# KiCad board dacboard.kicad_pcb (continued)
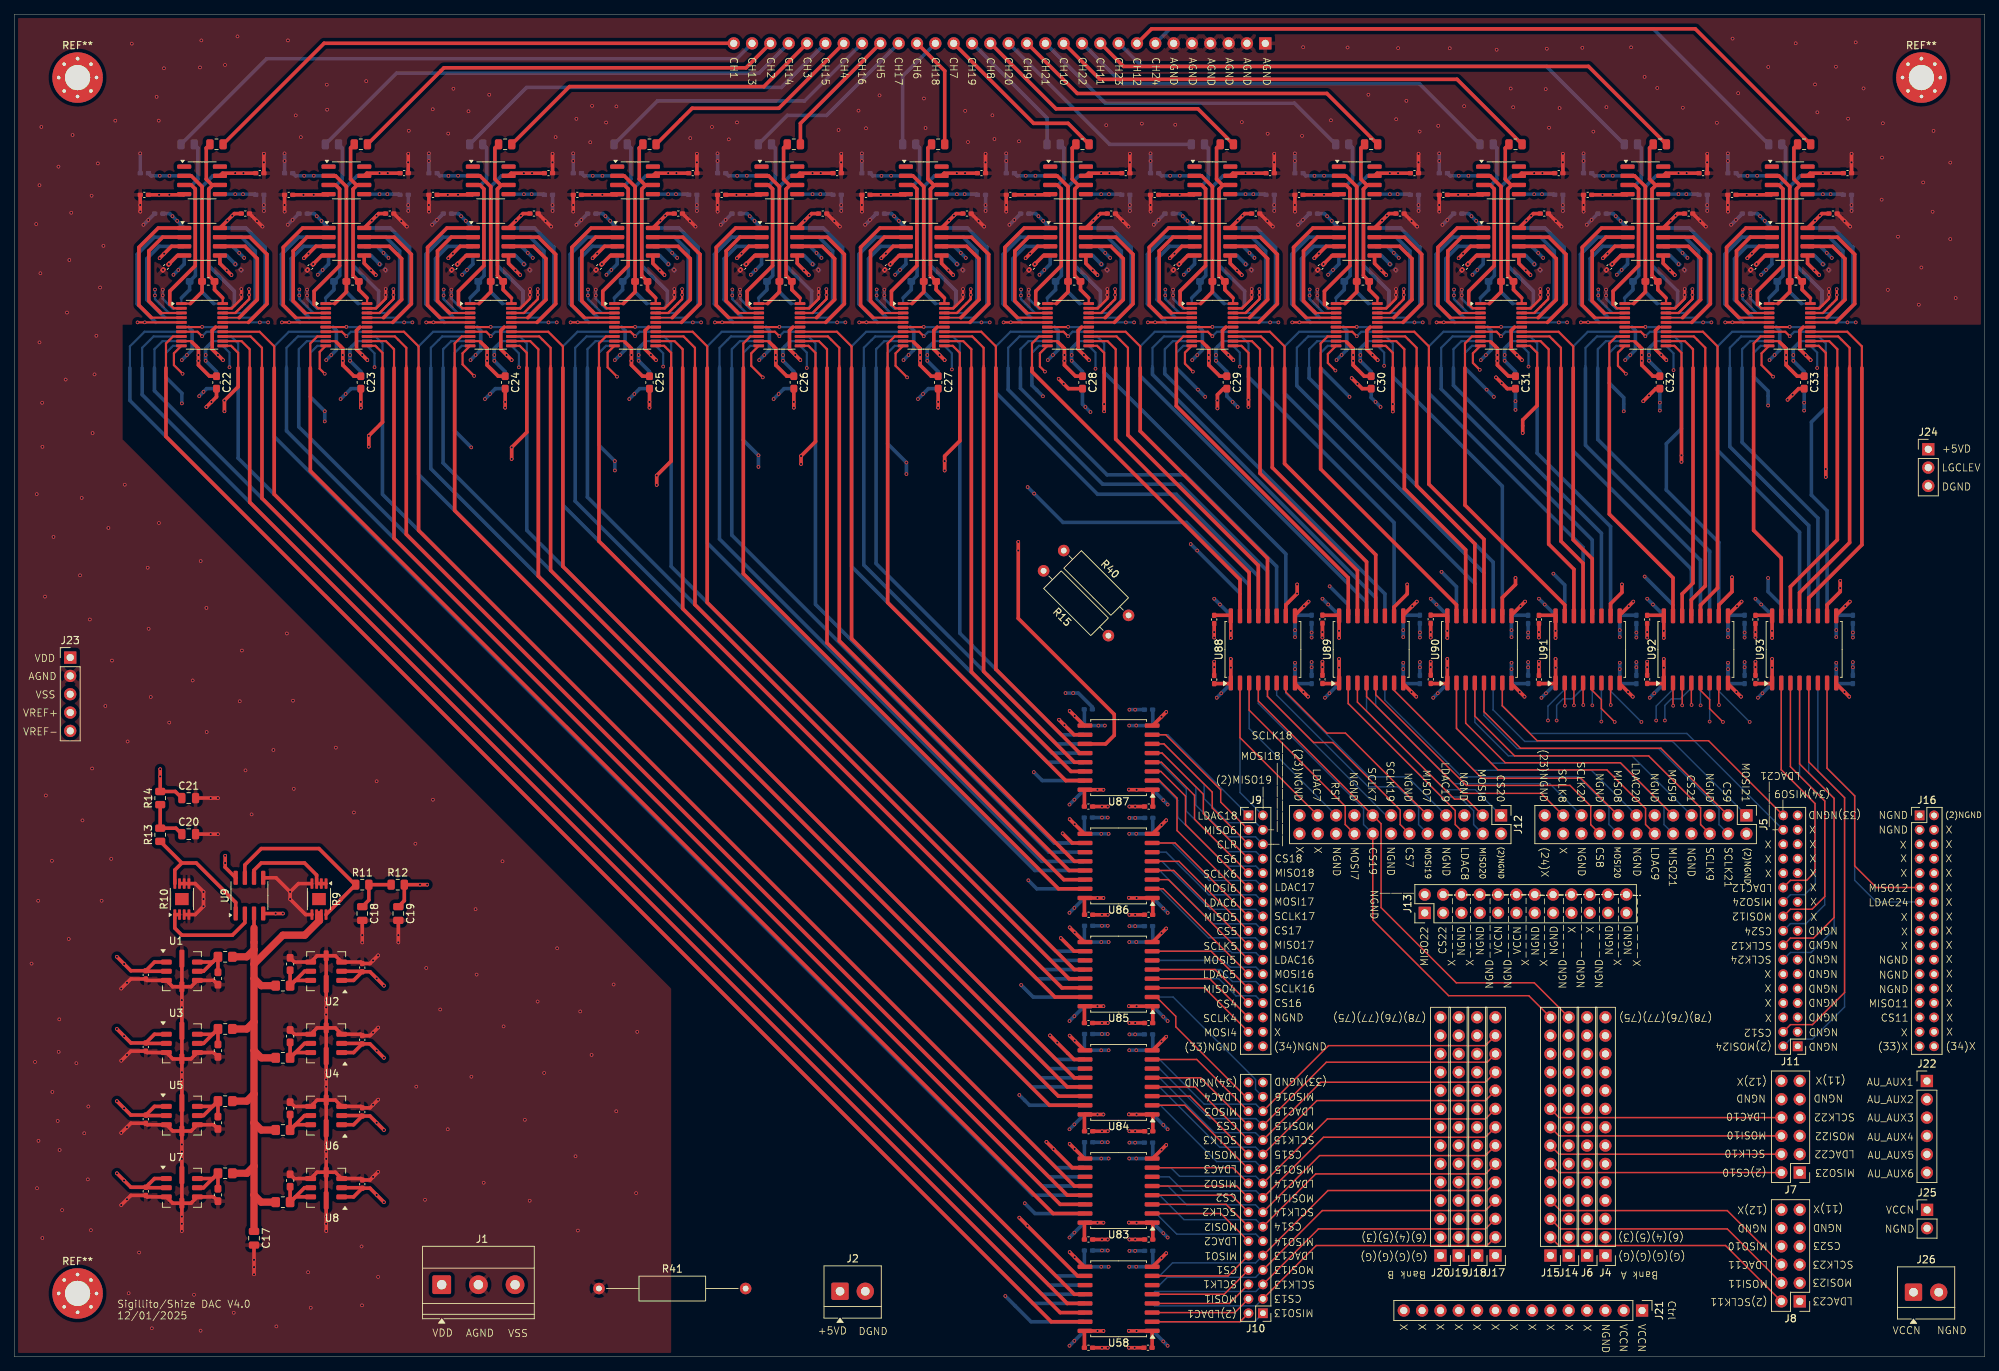
[diagram p0: board, top side]
## Routing (per net, layer and track width the routed paths; a pad name or vN(x,y) marks a point on that pad's centre or on a via; arc(x,y) is an arc through that point) (continued)
MOSI_CH9: length 84.8
  Top w0.2: U90.3 201.09,87.78 206.57,82.3 222.54,82.3 J5.9
  In6.Cu w0.2: J5.9 228.53,73.69 228.53,63.69 214.12,49.28 214.12,38.14 J15.10
MOSI_CH10: length 128.8
  Top w0.2: J7.6 214.04,30.58 J15.8 ; U91.3 216.09,90.34 216.05,90.3
  In1.Cu w0.2: J7.6 246.09,31.82 248.75,31.82 250.85,33.93 250.85,75.8 247.46,79.19 221.68,79.19 216.1,84.77 v1(216.1,90.25)
MOSI_CH11: length 146.1
  Top w0.2: U92.3 231.09,90.34 231.05,90.3 ; J8.4 237.35,17.69 214.23,17.69 J15.3
  In1.Cu w0.2: v1(231.1,90.25) 231.1,86.84 233.47,84.47 249.48,84.47 257.91,76.04 257.91,20.88 248.6,11.58 246.24,11.58 J8.4
MOSI_CH12: length 82.8
  Top w0.2: U93.3 246.1,81.75 250.85,77 250.85,63.75 249.1,62 246.1,62 J11.20
  In1.Cu w0.2: J11.20 236.43,52.33 236.43,45.54 221.52,30.63 219.31,30.63 J6.7
MOSI_CH13: length 52.4
  Top w0.2: J10.7 181.23,20.23 203.83,20.23 J17.4
  Bottom w0.2: U94.3 158.67,9.91 159.75,10.98 171.98,10.98 J10.7
MOSI_CH14: length 52.8
  Top w0.2: J10.17 181.39,30.39 203.83,30.39 J17.8
  Bottom w0.2: J10.17 172.02,22.98 161.95,22.98 160.02,24.91 U95.3
MOSI_CH15: length 55
  Top w0.2: J17.12 204.07,40.79 181.79,40.79 J10.27
  Bottom w0.2: U96.3 158.67,39.91 165.6,32.98 172.02,32.98 J10.27
MOSI_CH16: length 60.9
  In2.Cu w0.2: J9.24 187.93,38.07 187.93,30.12 195.04,23.01 198.75,23.01 J19.4
  Bottom w0.2: U97.3 167.54,54.91 168.47,53.98 172.02,53.98 J9.24
MOSI_CH17: length 63
  In2.Cu w0.2: J9.14 193.46,42.54 193.46,34.41 194.7,33.17 198.75,33.17 J19.8
  Bottom w0.2: J9.14 172.02,63.98 165.52,63.98 159.59,69.91 U98.3
MOSI_CH18: length 68.1
  In3.Cu w0.2: J9.4 181.53,64.47 181.53,53.05 191.25,43.33 198.75,43.33 J19.12
  Bottom w0.2: U99.3 159.25,84.91 164.85,79.3 164.85,77.33 168.2,73.98 172.02,73.98 J9.4
MOSI_CH19: length 67
  In3.Cu w0.2: J15.13 196.7,60.62 196.7,71.6 J12.10
  Bottom w0.2: J12.10 194.57,73.72 194.57,76.08 191.7,78.95 187.62,78.95 174.91,91.67 U100.3
MOSI_CH20: length 79.6
  In5.Cu w0.2: J5.16 219.58,69.82 219.58,51.56 216.68,48.66 216.68,40.7 J14.11
  Bottom w0.2: U101.3 189.91,90.97 200.53,80.35 216.7,80.35 220.95,76.1 220.95,73.73 J5.16
MOSI_CH21: length 97.4
  In6.Cu w0.2: J4.8 241.46,52.78 241.46,73.54 J5.1
  Bottom w0.2: U102.3 204.91,89.63 204.9,89.62 209.28,85.25 229.75,85.25 J5.1
MOSI_CH22: length 122.4
  In2.Cu w0.2: J14.8 216.69,30.47 242.9,30.47 244,29.37 246.18,29.37 J7.5 250.85,34.04 250.85,77.27 247.88,80.24 227.66,80.24 v1(219.9,88)
  Bottom w0.2: U103.3 219.91,88.05 219.95,88
MOSI_CH23: length 140.1
  In2.Cu w0.2: v1(234.9,88) 237.5,85.4 250.08,85.4 257.91,77.57 257.91,20.71 J8.3 246.24,11.34 244.37,11.34 237.78,17.93 216.53,17.93 J14.3
  Bottom w0.2: 234.95,88 234.91,88.05 U104.3
MOSI_CH24: length 97.2
  In1.Cu w0.2: J11.2 232.24,30.14 232.24,27.01 222.92,17.69 219.07,17.69 J6.2
  Bottom w0.2: J11.2 246.1,44 249.15,44 253.6,48.45 253.6,77.45 249.9,81.14 U105.3
NGND: length 113
  Top w0.5: v1(159.6,14.32) 157.74,12.46 157.74,12.44 ; 156.6,61.22 v1(154.5,61.22) ; 192.44,93.25 v1(194.25,91.45) ; 156.6,16.22 v1(154.5,16.22) ; 207.44,93.25 v1(209.25,91.45) ; 157.74,42.46 v1(159.6,44.32) ; C84.1 v1(166.25,96.3) ; 156.6,76.22 v1(154.5,76.22) ; 156.6,31.22 v1(154.5,31.22) ; 157.74,87.46 v1(159.6,89.33) ; 211.25,94.39 v1(211.25,96.3) ; 196.25,94.39 v1(196.25,96.3) ; 181.25,94.39 v1(181.25,96.3) ; v1(179.25,91.45) 177.44,93.25 177.44,93.26 ; 226.25,94.39 v1(226.25,96.3) ; 252.44,93.25 v1(254.25,91.45) ; 237.44,93.25 v1(239.25,91.45) ; C72.1 v1(154.43,1.22) ; 222.44,93.25 v1(224.25,91.45) ; 241.25,94.39 v1(241.25,96.3) ; 157.74,72.46 v1(159.6,74.33) ; 157.74,57.46 v1(159.6,59.32) ; 157.74,27.46 v1(159.6,29.32) ; 156.6,46.22 v1(154.5,46.22)
  Bottom w0.5: 156.6,74.65 v1(154.5,74.65) ; 228.56,93.25 v1(226.6,91.3) ; 157.75,63.56 v1(159.8,61.5) ; 183.56,93.25 v1(181.6,91.3) ; 168.56,93.26 168.56,93.25 v1(166.6,91.3) ; 156.6,59.65 v1(154.5,59.65) ; 157.74,3.56 157.75,3.56 v1(159.8,1.5) ; 254.75,94.39 v1(254.75,96.25) ; 156.6,89.65 v1(154.5,89.65) ; 157.75,33.56 v1(159.8,31.5) ; 157.75,78.56 v1(159.8,76.5) ; 213.56,93.25 v1(211.6,91.3) ; 243.56,93.25 v1(241.6,91.3) ; 157.75,48.56 v1(159.8,46.5) ; 156.6,29.65 v1(154.5,29.65) ; C109.1 v1(194.75,96.25) ; 157.75,18.56 v1(159.8,16.5) ; 198.56,93.25 v1(196.6,91.3) ; C115.1 v1(239.75,96.25) ; 224.75,94.39 v1(224.75,96.25) ; 156.6,44.65 v1(154.5,44.65) ; C96.1 v1(154.5,14.65) ; 209.75,94.39 v1(209.75,96.25) ; C108.1 v1(179.75,96.25)
  vias: v1(155.22,1.22) v1(155.3,89.65) v1(155.3,76.22) v1(155.3,74.65) v1(155.3,61.22) v1(155.3,59.65) v1(155.3,46.22) v1(155.3,44.65) v1(155.3,31.22) v1(155.3,29.65) v1(155.3,16.22) v1(155.3,14.65) v1(158.95,88.67) v1(158.95,73.67) v1(158.95,58.68) v1(158.95,43.68) v1(158.95,28.68) v1(158.95,13.68) v1(159.2,77.1) v1(159.2,62.1) v1(159.2,47.1) v1(159.2,32.1) v1(159.2,17.1) v1(159.2,2.1) v1(166.25,95.55) v1(167.22,91.92) v1(178.6,92.1) v1(179.75,95.53) v1(181.25,95.55) v1(182.22,91.92) v1(193.6,92.1) v1(194.75,95.53) v1(196.25,95.55) v1(197.22,91.92) v1(208.6,92.1) v1(209.75,95.53) v1(211.25,95.55) v1(212.22,91.92) v1(223.6,92.1) v1(224.75,95.53) v1(226.25,95.55) v1(227.22,91.92) v1(238.6,92.1) v1(239.75,95.53) v1(241.25,95.55) v1(242.22,91.92) v1(253.6,92.1) v1(254.75,95.53)
RESET_N: length 380.8
  Top w0.3: U28.6 185.97,142.68 ; v1(46,142.7) 45.98,142.68 U13.6 ; U21.6 125.97,142.68 ; U17.6 85.97,142.68 ; U26.6 145.97,142.68 ; U32.6 225.97,142.68 ; U10.6 25.98,142.68 ; U19.6 105.97,142.68 ; U33.6 245.98,142.68 ; U27.6 165.97,142.68 ; U29.6 205.97,142.68 ; U15.6 65.97,142.68
  In10.Cu w0.5: v1(140.4,120.5) 131.5,129.4 131.5,141.1 129.9,142.7 v1(126,142.7) 122.1,142.7 120.5,141.1 111.5,141.1 109.9,142.7 v1(106,142.7) 102.1,142.7 100.5,141.1 91.5,141.1 89.9,142.7 v1(86,142.7) 82.1,142.7 80.5,141.1 71.5,141.1 69.9,142.7 v1(66,142.7) 62.1,142.7 60.5,141.1 51.5,141.1 49.9,142.7 v1(46,142.7) 42.1,142.7 40.5,141.1 31.5,141.1 29.9,142.7 v1(26,142.7) ; v1(140.4,120.5) v1(141.3,119.6) ; v1(140.4,120.5) 140.5,120.6 140.5,141.1 142.1,142.7 v1(146,142.7) 149.9,142.7 151.5,141.1 160.5,141.1 162.1,142.7 v1(166,142.7) 169.9,142.7 171.5,141.1 180.5,141.1 182.1,142.7 v1(186,142.7) 189.9,142.7 191.5,141.1 200.5,141.1 202.1,142.7 v1(206,142.7) 209.9,142.7 211.5,141.1 220.5,141.1 222.1,142.7 v1(226,142.7) 229.9,142.7 231.5,141.1 240.5,141.1 242.1,142.7 v1(246,142.7)
  Bottom w0.3: U51.6 166.03,142.68 v1(166,142.7) ; U57.6 246.02,142.68 v1(246,142.7) ; U38.6 26.02,142.68 v1(26,142.7) ; U41.6 86.03,142.68 v1(86,142.7) ; v1(46,142.7) 46.02,142.68 U39.6 ; U50.6 146.03,142.68 v1(146,142.7) ; U40.6 66.03,142.68 v1(66,142.7) ; v1(206,142.7) 206.03,142.68 U53.6 ; v1(126,142.7) 126.03,142.68 U45.6 ; v1(226,142.7) 226.03,142.68 U56.6 ; U52.6 186.03,142.68 v1(186,142.7) ; v1(106,142.7) 106.03,142.68 U44.6
  Bottom w0.5: 171.09,102.74 171.09,106.91 162.4,115.6 145.3,115.6 v1(140.4,120.5)
RESET_N_ALLCH: length 58.4
  In4.Cu w0.2: J12.19 184.35,73.79 184.35,70.31 188.85,65.81 188.85,58.31 J19.14
  Bottom w0.2: J12.19 171.09,87.05 U100.6
SCLK_CH1: length 50.9
  Top w0.2: J10.6 168.37,7.37 U58.4
  In1.Cu w0.2: J18.4 201.29,20.23 182.61,20.23 173.36,10.98 171.98,10.98 J10.6
SCLK_CH2: length 50.9
  Top w0.2: J10.16 168.63,22.37 U83.4
  In1.Cu w0.2: J10.16 171.98,20.98 173.4,20.98 182.82,30.39 201.29,30.39 J18.8
SCLK_CH3: length 53
  Top w0.2: U84.4 163.63,37.37 J10.26
  In1.Cu w0.2: J10.26 171.98,30.98 173.4,30.98 182.98,40.55 201.29,40.55 J18.12
SCLK_CH4: length 56
  Top w0.2: J9.29 165.63,52.37 U85.4
  In3.Cu w0.2: J20.3 177.34,39.34 177.34,43.25 174.61,45.98 172.02,45.98 J9.29
SCLK_CH5: length 58
  Top w0.2: J9.19 160.63,67.37 U86.4
  In4.Cu w0.2: J20.7 178.24,48.6 178.24,52.49 174.71,56.02 171.98,56.02 J9.19
SCLK_CH6: length 61.1
  Top w0.2: J9.9 163.53,74.47 163.53,77.78 158.94,82.36 U87.4
  In4.Cu w0.2: J20.11 183.4,53.6 183.4,55.98 173.4,65.98 172.02,65.98 J9.9
SCLK_CH7: length 70.5
  Top w0.2: U88.4 172.37,90.86 J12.15 189.37,73.85 189.37,62.22 199.79,51.8 210.6,51.8 J14.14
SCLK_CH8: length 71.3
  Top w0.2: J5.21 211.55,78.05 200.78,78.05 187.37,91.46 U89.4
  In4.Cu w0.2: J5.21 215.86,73.74 215.86,70.57 217,69.43 217,57.25 219.07,55.18 219.07,43.09 J6.12
SCLK_CH9: length 87.9
  Top w0.2: J5.6 233.65,73.73 233.65,76.05 226.45,83.25 207.88,83.25 202.37,88.76 U90.4
  In6.Cu w0.2: J5.6 234.92,63.84 219.2,48.12 219.2,38.14 J6.10
SCLK_CH10: length 132.2
  Top w0.2: J7.4 214.04,28.04 J15.7 ; U91.4 217.37,90.33 v1(217.4,90.3)
  In1.Cu w0.2: v1(217.4,90.3) 217.4,85.51 222.67,80.24 247.88,80.24 252.16,75.96 252.16,31.56 249.88,29.28 246.08,29.28 J7.4
SCLK_CH11: length 149.5
  Top w0.2: v1(232.4,90.3) 232.37,90.33 U92.4 ; J15.2 213.99,15.39 237.11,15.39 J8.2
  In1.Cu w0.2: J8.2 246.24,9.04 248.66,9.04 259.37,19.75 259.37,76.11 250.08,85.4 233.88,85.4 232.4,86.88 v1(232.4,90.3)
SCLK_CH12: length 88.4
  Top w0.2: U93.4 247.37,82.14 252.15,77.35 252.15,60.85 249.3,58 246.1,58 J11.16
  In1.Cu w0.2: J6.5 219.31,25.55 221.32,25.55 239.97,44.2 239.97,51.87 J11.16
SCLK_CH13: length 51.9
  Top w0.2: J17.3 203.83,17.69 180.69,17.69 J10.5
  Bottom w0.2: J10.5 172.02,9.02 158.04,9.02 U94.4
SCLK_CH14: length 52.9
  Top w0.2: J10.15 180.85,27.85 203.83,27.85 J17.7
  Bottom w0.2: J10.15 171.98,21.02 162.45,21.02 159.84,23.63 U95.4
SCLK_CH15: length 55
  Top w0.2: J10.25 181.01,38.01 203.83,38.01 J17.11
  Bottom w0.2: U96.4 158.67,38.63 166.29,31.02 171.98,31.02 J10.25
SCLK_CH16: length 61.6
  In2.Cu w0.2: J19.3 198.75,20.47 195.37,20.47 186.37,29.47 186.37,37.63 J9.26
  Bottom w0.2: U97.4 167.12,53.63 168.77,51.98 172.02,51.98 J9.26
SCLK_CH17: length 64.4
  In2.Cu w0.2: J19.7 198.99,30.39 194.05,30.39 192.02,32.42 192.02,41.98 J9.16
  Bottom w0.2: J9.16 172.02,61.98 165.67,61.98 159.01,68.63 U98.4
SCLK_CH18: length 69
  In3.Cu w0.2: J9.6 179.91,64.09 179.91,52.65 191.77,40.79 198.75,40.79 J19.11
  Bottom w0.2: U99.4 158.99,83.64 163.7,78.92 163.7,76.42 168.1,72.02 171.98,72.02 J9.6
SCLK_CH19: length 73.1
  In1.Cu w0.2: J12.13 192.06,73.7 192.06,59.17 200.8,50.43 214.51,50.43 J6.14
  Bottom w0.2: J12.13 190.07,75 173.63,91.44 U100.4
SCLK_CH20: length 73.7
  In4.Cu w0.2: J5.19 218.42,73.72 218.42,69.51 222.1,65.83 222.1,43.58 J4.12
  Bottom w0.2: J5.19 212.74,79.4 199.47,79.4 188.63,90.24 U101.4
SCLK_CH21: length 89
  In6.Cu w0.2: J5.4 237.46,53.86 J4.10
  Bottom w0.2: J5.4 236.2,73.72 236.2,75.9 227.85,84.25 208.25,84.25 203.63,88.86 U102.4
SCLK_CH22: length 120.3
  In2.Cu w0.2: J14.9 216.77,32.93 242.75,32.93 243.85,31.83 246.1,31.83 J7.7 249.5,35.23 249.5,77.15 247.46,79.19 225.51,79.19 218.65,86.05 v1(218.65,90.25)
  Bottom w0.2: U103.4 218.63,90.22
SCLK_CH23: length 137.5
  In2.Cu w0.2: J14.4 216.77,20.23 238.26,20.23 244.47,14.02 246.1,14.02 J8.5 256.48,21.82 256.48,77.47 249.48,84.47 235.96,84.47 233.65,86.78 v1(233.65,90.25)
  Bottom w0.2: U104.4 233.63,90.22
SCLK_CH24: length 90
  In1.Cu w0.2: J11.14 241.59,51.49 241.59,43.66 220.7,22.77 219.07,22.77 J6.4
  Bottom w0.2: J11.14 246.1,56 248.95,56 252.15,59.2 252.15,77.35 248.63,80.86 U105.4
VOUT_F1: length 9
  Top w0.5: R1.1 27.47,54.67 U1.7 ; R1.1 26.2,53.4 U1.6 ; R1.1 C2.1
VOUT_F2: length 9
  Top w0.5: R2.1 38.93,52.13 U2.7 ; R2.1 C4.1 ; R2.1 40.2,53.4 U2.6
VOUT_F3: length 9
  Top w0.5: R3.1 26.2,43.4 U3.6 ; R3.1 C6.1 ; R3.1 27.47,44.67 U3.7
VOUT_F4: length 9
  Top w0.5: R4.1 40.2,43.4 U4.6 ; R4.1 38.93,42.13 U4.7 ; R4.1 C8.1
VOUT_F5: length 9
  Top w0.5: R5.1 C10.1 ; R5.1 27.47,34.67 U5.7 ; R5.1 26.2,33.4 U5.6
VOUT_F6: length 9
  Top w0.5: R6.1 38.93,32.13 U6.7 ; R6.1 C12.1 ; R6.1 40.2,33.4 U6.6
VOUT_F7: length 9
  Top w0.5: U7.6 26.2,23.4 R7.1 ; R7.1 C14.1 ; R7.1 27.47,24.67 U7.7
VOUT_F8: length 9
  Top w0.5: C16.1 R8.1 ; R8.1 40.2,23.4 U8.6 ; R8.1 38.93,22.13 U8.7
VREF+: length 103.7
  Top w0.5: U11.3 21.77,153.87 v1(20.12,152.22) ; 123.53,153.87 121.77,153.87 v1(120.12,152.22) ; 223.53,153.87 221.77,153.87 v1(220.12,152.22) ; 163.53,153.87 161.77,153.87 v1(160.12,152.22) ; 243.53,153.87 241.77,153.87 v1(240.12,152.22) ; 83.53,153.87 81.77,153.87 v1(80.12,152.22) ; v1(200.12,152.22) 201.77,153.87 203.53,153.87 ; v1(100.12,152.22) 101.77,153.87 103.53,153.87 ; 43.53,153.87 41.77,153.87 v1(40.12,152.22) ; 63.53,153.87 61.77,153.87 v1(60.12,152.22) ; v1(140.12,152.22) 141.77,153.87 143.53,153.87 ; 183.53,153.87 181.77,153.87 v1(180.12,152.22) ; v1(20.2,81.4) R14.2 22.29,78.31 C21.1
  Bottom w0.5: U48.3 190.23,153.87 v1(191.83,152.26) ; U37.3 90.23,153.87 v1(91.83,152.26) ; v1(231.83,152.26) 230.23,153.87 U54.3 ; U34.3 30.23,153.87 v1(31.83,152.26) ; v1(71.83,152.26) 70.23,153.87 U36.3 ; v1(51.83,152.26) 50.23,153.87 U35.3 ; v1(211.83,152.26) 210.23,153.87 U49.3 ; v1(131.83,152.26) 130.23,153.87 U43.3 ; v1(111.83,152.26) 110.23,153.87 U42.3 ; v1(251.83,152.26) 250.23,153.87 U55.3 ; U47.3 170.23,153.87 v1(171.83,152.26) ; v1(151.83,152.26) 150.23,153.87 U46.3
  vias: v1(20.2,80.4) v1(20.75,152.85) v1(31.14,152.95) v1(40.75,152.85) v1(51.14,152.95) v1(60.75,152.85) v1(71.14,152.95) v1(80.75,152.85) v1(91.14,152.95) v1(100.75,152.85) v1(111.14,152.95) v1(120.75,152.85) v1(131.14,152.95) v1(140.75,152.85) v1(151.14,152.95) v1(160.75,152.85) v1(171.14,152.95) v1(180.75,152.85) v1(191.14,152.95) v1(200.75,152.85) v1(211.14,152.95) v1(220.75,152.85) v1(231.14,152.95) v1(240.75,152.85) v1(251.14,152.95)
VREF-: length 85.8
  Top w0.5: 228.47,151.49 v1(230.07,149.89) ; 248.47,151.49 v1(250.07,149.89) ; 248.47,152.59 248.47,151.54 ; 68.47,152.59 68.47,151.54 ; 88.47,152.59 88.47,151.54 ; v1(30.07,149.89) 28.47,151.49 28.47,152.59 U11.5 ; 148.47,151.49 v1(150.07,149.89) ; 188.47,151.49 v1(190.07,149.89) ; 208.47,152.59 208.47,151.54 ; 228.47,152.59 228.47,151.54 ; 128.47,152.59 128.47,151.54 ; v1(57.2,65.4) R12.2 54.03,63.18 C19.1 ; 68.47,151.49 v1(70.07,149.89) ; 48.47,152.59 48.47,151.54 ; 88.47,151.49 v1(90.07,149.89) ; 108.47,152.59 108.47,151.54 ; 208.47,151.49 v1(210.07,149.89) ; 128.47,151.49 v1(130.07,149.89) ; 148.47,152.59 148.47,151.54 ; 48.47,151.49 v1(50.07,149.89) ; 108.47,151.49 v1(110.07,149.89) ; 168.47,152.59 168.47,151.54 ; 168.47,151.49 v1(170.07,149.89) ; 188.47,152.59 188.47,151.54
  Bottom w0.5: 163.53,152.59 163.53,151.41 ; U34.5 23.52,151.41 23.53,151.41 v1(22.04,149.92) ; 143.53,152.59 143.53,151.41 ; 143.53,151.41 v1(142.04,149.92) ; 243.53,151.41 v1(242.04,149.92) ; 83.53,152.59 83.53,151.41 ; 43.53,152.59 43.53,151.41 ; 243.53,152.59 243.53,151.41 ; 103.53,152.59 103.53,151.41 ; 103.53,151.41 v1(102.04,149.92) ; 183.53,152.59 183.53,151.41 ; 223.53,152.59 223.53,151.41 ; 203.53,152.59 203.53,151.41 ; 123.53,151.41 v1(122.04,149.92) ; 63.53,152.59 63.53,151.41 ; 63.53,151.41 v1(62.04,149.92) ; 203.53,151.41 v1(202.04,149.92) ; 183.53,151.41 v1(182.04,149.92) ; 223.53,151.41 v1(222.04,149.92) ; 163.53,151.41 v1(162.04,149.92) ; 43.53,151.41 v1(42.04,149.92) ; 83.53,151.41 v1(82.04,149.92) ; 123.53,152.59 123.53,151.41
  vias: v1(22.71,150.59) v1(29.42,150.54) v1(42.71,150.59) v1(49.42,150.54) v1(56.2,65.4) v1(62.71,150.59) v1(69.42,150.54) v1(82.71,150.59) v1(89.42,150.54) v1(102.71,150.59) v1(109.42,150.54) v1(122.71,150.59) v1(129.42,150.54) v1(142.71,150.59) v1(149.42,150.54) v1(162.71,150.59) v1(169.42,150.54) v1(182.71,150.59) v1(189.42,150.54) v1(202.71,150.59) v1(209.42,150.54) v1(222.71,150.59) v1(229.42,150.54) v1(242.71,150.59) v1(249.42,150.54)
Net-(C18-Pad1): length 6.5
  Top w0.5: R12.1 R11.2 49.11,63.26 C18.1
Net-(C20-Pad1): length 6.6
  Top w0.5: C20.1 22.38,73.22 R13.2 R14.1
Net-(R10-Pad8): length 18.8
  Top w0.5: 23.2,68.4 R13.1 ; 23.2,68.4 25.2,68.4 30.66,62.94 U9.1 ; 23.2,68.4 22.23,67.43 R10.8
Net-(R11-Pad1): length 26
  Top w0.5: R9.8 45.2,63.28 45.2,63.31 R11.1 47.2,65.4 42.2,70.4 34.2,70.4 31.93,68.13 U9.7
Net-(U9A-+): length 83.8
  Top w0.5: U9.3 33.2,59.4
  Top w1: 33.2,22.4 C17.1 ; 33.2,22.4 33.2,26.4 ; 33.2,22.4 34.2,21.4 R8.2 ; R2.2 34.2,51.4 33.2,52.4 ; R7.2 32.2,25.4 33.2,26.4 ; 33.2,56.4 33.2,54.4 ; 33.2,56.4 33.2,59.4 ; 33.2,56.4 32.2,55.4 R1.2 ; 33.2,54.4 37.2,58.4 40.24,58.4 42.27,60.44 42.22,60.49 42.22,61.25 ; 33.2,54.4 33.2,52.4 ; 33.2,26.4 33.2,32.4 ; R4.2 34.2,41.4 33.2,42.4 ; 33.2,36.4 33.2,32.4 ; 33.2,36.4 32.2,35.4 R5.2 ; 33.2,36.4 33.2,42.4 ; 33.2,32.4 34.2,31.4 R6.2 ; 33.2,52.4 33.2,46.4 ; 33.2,46.4 33.2,42.4 ; 33.2,46.4 32.2,45.4 R3.2
Net-(U9A--): length 14.6
  Top w0.5: R10.2 R10.1 22.23,59.38 23.2,58.4 30.2,58.4 31.93,60.13 U9.2
Net-(U9B--): length 13.3
  Top w0.5: U9.6 33.2,67.4 34.2,68.4 40.2,68.4 41.88,66.72 R9.3 R9.1
Net-(U10-VREFNF): length 21.6
  Top w0.3: U10.16 32.42,143.32
  Top w0.5: 32.42,143.32 35,145.9 35,152.75 32.62,155.13 U11.7
Net-(U10-VREFNS): length 17.4
  Top w0.2: U10.17 31.15,143.97
  Top w0.5: 31.15,143.97 33.65,146.47 33.65,152.15 31.94,153.87 U11.6
Net-(U10-VREFPF): length 22.8
  Top w0.2: U11.1 24.32,156.41
  Top w0.3: U10.4 18.98,143.97 18.95,144
  Top w0.5: 18.95,144 17.25,145.7 17.25,153.72 19.93,156.41 U11.1
Net-(U10-VREFPS): length 17.8
  Top w0.3: U10.3 20.3,144.62
  Top w0.5: 20.3,144.62 18.62,146.3 18.62,153.22 20.53,155.13 U11.2
Net-(U12A--): length 17.8
  Top w0.3: U13.3 40.3,144.62
  Top w0.5: U12.2 40.53,155.13 38.62,153.22 38.62,146.3 40.3,144.62
Net-(U12B--): length 17.4
  Top w0.2: U13.17 51.15,143.97
  Top w0.5: 51.15,143.97 53.65,146.47 53.65,152.15 51.94,153.87 U12.6
Net-(U13-VREFNF): length 21.6
  Top w0.3: U13.16 52.42,143.32
  Top w0.5: 52.42,143.32 55,145.9 55,152.75 52.61,155.13 U12.7
Net-(U13-VREFPF): length 22.8
  Top w0.2: U12.1 44.32,156.41
  Top w0.3: 38.95,144 38.98,143.97 U13.4
  Top w0.5: U12.1 39.93,156.41 37.25,153.72 37.25,145.7 38.95,144
Net-(U14A--): length 17.8
  Top w0.3: U15.3 60.3,144.62
  Top w0.5: 60.3,144.62 58.62,146.3 58.62,153.22 60.53,155.13 U14.2
Net-(U14B--): length 17.4
  Top w0.2: U15.17 71.15,143.97
  Top w0.5: 71.15,143.97 73.65,146.47 73.65,152.15 71.94,153.87 U14.6
Net-(U15-VREFNF): length 21.6
  Top w0.3: U15.16 72.42,143.32
  Top w0.5: 72.42,143.32 75,145.9 75,152.75 72.61,155.13 U14.7
Net-(U15-VREFPF): length 22.8
  Top w0.2: U14.1 64.32,156.41
  Top w0.3: 58.95,144 58.97,143.97 U15.4
  Top w0.5: 58.95,144 57.25,145.7 57.25,153.72 59.93,156.41 U14.1
Net-(U16A--): length 17.8
  Top w0.3: U17.3 80.3,144.62
  Top w0.5: U16.2 80.53,155.13 78.62,153.22 78.62,146.3 80.3,144.62
Net-(U16B--): length 17.4
  Top w0.2: U17.17 91.15,143.97
  Top w0.5: 91.15,143.97 93.65,146.47 93.65,152.15 91.94,153.87 U16.6
Net-(U17-VREFNF): length 21.6
  Top w0.3: U17.16 92.42,143.32
  Top w0.5: 92.42,143.32 95,145.9 95,152.75 92.61,155.13 U16.7
Net-(U17-VREFPF): length 22.8
  Top w0.2: U16.1 84.32,156.41
  Top w0.3: 78.95,144 78.97,143.97 U17.4
  Top w0.5: U16.1 79.93,156.41 77.25,153.72 77.25,145.7 78.95,144
Net-(U18A--): length 17.8
  Top w0.3: U19.3 100.3,144.62
  Top w0.5: U18.2 100.53,155.13 98.62,153.22 98.62,146.3 100.3,144.62
Net-(U18B--): length 17.4
  Top w0.2: U19.17 111.15,143.97
  Top w0.5: U18.6 111.94,153.87 113.65,152.15 113.65,146.47 111.15,143.97
Net-(U19-VREFNF): length 21.6
  Top w0.3: U19.16 112.42,143.32
  Top w0.5: 112.42,143.32 115,145.9 115,152.75 112.61,155.13 U18.7
Net-(U19-VREFPF): length 22.8
  Top w0.2: U18.1 104.32,156.41
  Top w0.3: 98.95,144 98.97,143.97 U19.4
  Top w0.5: 98.95,144 97.25,145.7 97.25,153.72 99.93,156.41 U18.1
Net-(U20A--): length 17.8
  Top w0.3: U21.3 120.3,144.62
  Top w0.5: U20.2 120.53,155.13 118.62,153.22 118.62,146.3 120.3,144.62
Net-(U20B--): length 17.4
  Top w0.2: U21.17 131.15,143.97
  Top w0.5: 131.15,143.97 133.65,146.47 133.65,152.15 131.94,153.87 U20.6
Net-(U21-VREFNF): length 21.6
  Top w0.3: U21.16 132.43,143.32
  Top w0.5: 132.43,143.32 135,145.9 135,152.75 132.62,155.13 U20.7
Net-(U21-VREFPF): length 22.8
  Top w0.2: U20.1 124.32,156.41
  Top w0.3: U21.4 118.97,143.97 118.95,144
  Top w0.5: 118.95,144 117.25,145.7 117.25,153.72 119.93,156.41 U20.1
Net-(U22A--): length 17.8
  Top w0.3: U26.3 140.3,144.62
  Top w0.5: U22.2 140.53,155.13 138.62,153.22 138.62,146.3 140.3,144.62
Net-(U22B--): length 17.4
  Top w0.2: U26.17 151.15,143.97
  Top w0.5: U22.6 151.94,153.87 153.65,152.15 153.65,146.47 151.15,143.97
Net-(U23A--): length 17.8
  Top w0.3: U27.3 160.3,144.62
  Top w0.5: U23.2 160.53,155.13 158.62,153.22 158.62,146.3 160.3,144.62
Net-(U23B--): length 17.4
  Top w0.2: U27.17 171.15,143.97
  Top w0.5: U23.6 171.94,153.87 173.65,152.15 173.65,146.47 171.15,143.97
Net-(U24A--): length 17.8
  Top w0.3: U28.3 180.3,144.62
  Top w0.5: 180.3,144.62 178.62,146.3 178.62,153.22 180.53,155.13 U24.2
Net-(U24B--): length 17.4
  Top w0.2: U28.17 191.15,143.97
  Top w0.5: 191.15,143.97 193.65,146.47 193.65,152.15 191.94,153.87 U24.6
Net-(U25A--): length 17.8
  Top w0.3: U29.3 200.3,144.62
  Top w0.5: U25.2 200.53,155.13 198.62,153.22 198.62,146.3 200.3,144.62
Net-(U25B--): length 17.4
  Top w0.2: U29.17 211.15,143.97
  Top w0.5: 211.15,143.97 213.65,146.47 213.65,152.15 211.94,153.87 U25.6
Net-(U26-VREFNF): length 21.6
  Top w0.3: U26.16 152.43,143.32
  Top w0.5: 152.43,143.32 155,145.9 155,152.75 152.62,155.13 U22.7
Net-(U26-VREFPF): length 22.8
  Top w0.2: U22.1 144.32,156.41
  Top w0.3: U26.4 138.97,143.97 138.95,144
  Top w0.5: 138.95,144 137.25,145.7 137.25,153.72 139.93,156.41 U22.1
Net-(U27-VREFNF): length 21.6
  Top w0.3: U27.16 172.43,143.32
  Top w0.5: 172.43,143.32 175,145.9 175,152.75 172.62,155.13 U23.7
Net-(U27-VREFPF): length 22.8
  Top w0.2: U23.1 164.32,156.41
  Top w0.3: 158.95,144 158.97,143.97 U27.4
  Top w0.5: U23.1 159.93,156.41 157.25,153.72 157.25,145.7 158.95,144
Net-(U28-VREFNF): length 21.6
  Top w0.3: U28.16 192.43,143.32
  Top w0.5: U24.7 192.62,155.13 195,152.75 195,145.9 192.43,143.32
Net-(U28-VREFPF): length 22.8
  Top w0.2: U24.1 184.32,156.41
  Top w0.3: 178.95,144 178.97,143.97 U28.4
  Top w0.5: 178.95,144 177.25,145.7 177.25,153.72 179.93,156.41 U24.1
Net-(U29-VREFNF): length 21.6
  Top w0.3: U29.16 212.43,143.32
  Top w0.5: U25.7 212.62,155.13 215,152.75 215,145.9 212.43,143.32
Net-(U29-VREFPF): length 22.8
  Top w0.2: U25.1 204.32,156.41
  Top w0.3: 198.95,144 198.97,143.97 U29.4
  Top w0.5: U25.1 199.93,156.41 197.25,153.72 197.25,145.7 198.95,144
Net-(U30A--): length 17.8
  Top w0.3: U32.3 220.3,144.62
  Top w0.5: 220.3,144.62 218.62,146.3 218.62,153.22 220.53,155.13 U30.2
Net-(U30B--): length 17.4
  Top w0.2: U32.17 231.15,143.97
  Top w0.5: U30.6 231.94,153.87 233.65,152.15 233.65,146.47 231.15,143.97
Net-(U31A--): length 17.8
  Top w0.3: U33.3 240.3,144.62
  Top w0.5: U31.2 240.53,155.13 238.62,153.22 238.62,146.3 240.3,144.62
Net-(U31B--): length 17.4
  Top w0.2: U33.17 251.15,143.97
  Top w0.5: U31.6 251.94,153.87 253.65,152.15 253.65,146.47 251.15,143.97
Net-(U32-VREFNF): length 21.6
  Top w0.3: U32.16 232.43,143.32
  Top w0.5: 232.43,143.32 235,145.9 235,152.75 232.62,155.13 U30.7
Net-(U32-VREFPF): length 22.8
  Top w0.2: U30.1 224.32,156.41
  Top w0.3: 218.95,144 218.97,143.97 U32.4
  Top w0.5: 218.95,144 217.25,145.7 217.25,153.72 219.93,156.41 U30.1
Net-(U33-VREFNF): length 21.6
  Top w0.3: U33.16 252.43,143.32
  Top w0.5: U31.7 252.62,155.13 255,152.75 255,145.9 252.43,143.32
Net-(U33-VREFPF): length 22.8
  Top w0.2: U31.1 244.32,156.41
  Top w0.3: 238.95,144 238.97,143.97 U33.4
  Top w0.5: 238.95,144 237.25,145.7 237.25,153.72 239.93,156.41 U31.1
Net-(U34A--): length 17.8
  Bottom w0.3: U38.3 31.7,144.62
  Bottom w0.5: 28.47,155.13 31.46,155.13 33.37,153.22 33.37,146.3 31.7,144.62
Net-(U34B--): length 17.4
  Bottom w0.2: 23.14,143.97 20.85,143.97
  Bottom w0.5: 20.85,143.97 18.35,146.47 18.35,152.15 20.06,153.87 U34.6
Net-(U35A--): length 17.8
  Bottom w0.3: U39.3 51.7,144.62
  Bottom w0.5: 48.47,155.13 51.46,155.13 53.37,153.22 53.37,146.3 51.7,144.62
Net-(U35B--): length 17.4
  Bottom w0.2: U39.17 40.85,143.97
  Bottom w0.5: 40.85,143.97 38.35,146.47 38.35,152.15 40.06,153.87 U35.6
Net-(U36A--): length 17.8
  Bottom w0.3: U40.3 71.7,144.62
  Bottom w0.5: 68.47,155.13 71.46,155.13 73.37,153.22 73.37,146.3 71.7,144.62
Net-(U36B--): length 17.4
  Bottom w0.2: U40.17 60.85,143.97
  Bottom w0.5: 60.85,143.97 58.35,146.47 58.35,152.15 60.06,153.87 U36.6
Net-(U37A--): length 17.8
  Bottom w0.3: U41.3 91.7,144.62
  Bottom w0.5: 91.7,144.62 93.37,146.3 93.37,153.22 91.46,155.13 88.47,155.13
Net-(U37B--): length 17.4
  Bottom w0.2: U41.17 80.85,143.97
  Bottom w0.5: U37.6 80.06,153.87 78.35,152.15 78.35,146.47 80.85,143.97
Net-(U38-VREFNF): length 21.6
  Bottom w0.3: 23.14,143.32 19.57,143.32
  Bottom w0.5: U34.7 19.38,155.13 17,152.75 17,145.9 19.57,143.32
Net-(U38-VREFPF): length 22.8
  Bottom w0.2: 28.47,156.41 27.68,156.41
  Bottom w0.3: 33.05,144 33.02,143.97 U38.4
  Bottom w0.5: 28.47,156.41 32.07,156.41 34.75,153.72 34.75,145.7 33.05,144
Net-(U39-VREFNF): length 21.6
  Bottom w0.3: U39.16 39.57,143.32
  Bottom w0.5: 39.57,143.32 37,145.9 37,152.75 39.38,155.13 U35.7
Net-(U39-VREFPF): length 22.8
  Bottom w0.2: 48.47,156.41 47.68,156.41
  Bottom w0.3: U39.4 53.02,143.97
  Bottom w0.5: 53.05,144 54.75,145.7 54.75,153.72 52.07,156.41 48.47,156.41
Net-(U40-VREFNF): length 21.6
  Bottom w0.3: U40.16 59.57,143.32
  Bottom w0.5: U36.7 59.38,155.13 57,152.75 57,145.9 59.57,143.32
Net-(U40-VREFPF): length 22.8
  Bottom w0.2: 68.47,156.41 67.68,156.41
  Bottom w0.3: U40.4 73.02,143.97
  Bottom w0.5: 68.47,156.41 72.07,156.41 74.75,153.72 74.75,145.7 73.05,144
Net-(U41-VREFNF): length 21.6
  Bottom w0.3: U41.16 79.57,143.32
  Bottom w0.5: U37.7 79.38,155.13 77,152.75 77,145.9 79.57,143.32
Net-(U41-VREFPF): length 22.8
  Bottom w0.2: 88.47,156.41 87.68,156.41
  Bottom w0.3: U41.4 93.02,143.97
  Bottom w0.5: 93.05,144 94.75,145.7 94.75,153.72 92.07,156.41 88.47,156.41
Net-(U42A--): length 17.8
  Bottom w0.3: U44.3 111.7,144.62
  Bottom w0.5: 108.47,155.13 111.46,155.13 113.37,153.22 113.37,146.3 111.7,144.62
Net-(U42B--): length 17.4
  Bottom w0.2: U44.17 100.85,143.97
  Bottom w0.5: 100.85,143.97 98.35,146.47 98.35,152.15 100.06,153.87 U42.6
Net-(U43A--): length 17.8
  Bottom w0.3: U45.3 131.7,144.62
  Bottom w0.5: 131.7,144.62 133.37,146.3 133.37,153.22 131.46,155.13 128.47,155.13
Net-(U43B--): length 17.4
  Bottom w0.2: U45.17 120.85,143.97
  Bottom w0.5: U43.6 120.06,153.87 118.35,152.15 118.35,146.47 120.85,143.97
Net-(U44-VREFNF): length 21.6
  Bottom w0.3: U44.16 99.57,143.32
  Bottom w0.5: U42.7 99.38,155.13 97,152.75 97,145.9 99.57,143.32
Net-(U44-VREFPF): length 22.8
  Bottom w0.2: 108.47,156.41 107.68,156.41
  Bottom w0.3: U44.4 113.02,143.97
  Bottom w0.5: 108.47,156.41 112.07,156.41 114.75,153.72 114.75,145.7 113.05,144
Net-(U45-VREFNF): length 21.6
  Bottom w0.3: U45.16 119.57,143.32
  Bottom w0.5: U43.7 119.38,155.13 117,152.75 117,145.9 119.57,143.32
Net-(U45-VREFPF): length 22.8
  Bottom w0.2: 128.47,156.41 127.68,156.41
  Bottom w0.3: U45.4 133.02,143.97
  Bottom w0.5: 128.47,156.41 132.07,156.41 134.75,153.72 134.75,145.7 133.05,144
Net-(U46A--): length 17.8
  Bottom w0.3: U50.3 151.7,144.62
  Bottom w0.5: 148.47,155.13 151.46,155.13 153.37,153.22 153.37,146.3 151.7,144.62
Net-(U46B--): length 17.4
  Bottom w0.2: U50.17 140.85,143.97
  Bottom w0.5: 140.85,143.97 138.35,146.47 138.35,152.15 140.06,153.87 U46.6
Net-(U47A--): length 17.8
  Bottom w0.3: U51.3 171.7,144.62
  Bottom w0.5: 168.47,155.13 171.46,155.13 173.37,153.22 173.37,146.3 171.7,144.62
Net-(U47B--): length 17.4
  Bottom w0.2: U51.17 160.85,143.97
  Bottom w0.5: 160.85,143.97 158.35,146.47 158.35,152.15 160.06,153.87 U47.6
Net-(U48A--): length 17.8
  Bottom w0.3: U52.3 191.7,144.62
  Bottom w0.5: 188.47,155.13 191.46,155.13 193.37,153.22 193.37,146.3 191.7,144.62
Net-(U48B--): length 17.4
  Bottom w0.2: U52.17 180.85,143.97
  Bottom w0.5: 180.85,143.97 178.35,146.47 178.35,152.15 180.06,153.87 U48.6
Net-(U49A--): length 17.8
  Bottom w0.3: U53.3 211.7,144.62
  Bottom w0.5: 208.47,155.13 211.46,155.13 213.37,153.22 213.37,146.3 211.7,144.62
Net-(U49B--): length 17.4
  Bottom w0.2: U53.17 200.85,143.97
  Bottom w0.5: U49.6 200.06,153.87 198.35,152.15 198.35,146.47 200.85,143.97
Net-(U50-VREFNF): length 21.6
  Bottom w0.3: U50.16 139.57,143.32
  Bottom w0.5: 139.57,143.32 137,145.9 137,152.75 139.38,155.13 U46.7
Net-(U50-VREFPF): length 22.8
  Bottom w0.2: 148.47,156.41 147.68,156.41
  Bottom w0.3: U50.4 153.02,143.97
  Bottom w0.5: 148.47,156.41 152.07,156.41 154.75,153.72 154.75,145.7 153.05,144
Net-(U51-VREFNF): length 21.6
  Bottom w0.3: U51.16 159.57,143.32
  Bottom w0.5: 159.57,143.32 157,145.9 157,152.75 159.38,155.13 U47.7
Net-(U51-VREFPF): length 22.8
  Bottom w0.2: 168.47,156.41 167.68,156.41
  Bottom w0.3: U51.4 173.02,143.97
  Bottom w0.5: 168.47,156.41 172.07,156.41 174.75,153.72 174.75,145.7 173.05,144
Net-(U52-VREFNF): length 21.6
  Bottom w0.3: U52.16 179.57,143.32
  Bottom w0.5: 179.57,143.32 177,145.9 177,152.75 179.38,155.13 U48.7
Net-(U52-VREFPF): length 22.8
  Bottom w0.2: 188.47,156.41 187.68,156.41
  Bottom w0.3: U52.4 193.02,143.97
  Bottom w0.5: 193.05,144 194.75,145.7 194.75,153.72 192.07,156.41 188.47,156.41
Net-(U53-VREFNF): length 21.6
  Bottom w0.3: U53.16 199.57,143.32
  Bottom w0.5: 199.57,143.32 197,145.9 197,152.75 199.38,155.13 U49.7
Net-(U53-VREFPF): length 22.8
  Bottom w0.2: 208.47,156.41 207.68,156.41
  Bottom w0.3: U53.4 213.02,143.97
  Bottom w0.5: 213.05,144 214.75,145.7 214.75,153.72 212.07,156.41 208.47,156.41
Net-(U54A--): length 17.8
  Bottom w0.3: U56.3 231.7,144.62
  Bottom w0.5: 231.7,144.62 233.37,146.3 233.37,153.22 231.46,155.13 228.47,155.13
Net-(U54B--): length 17.4
  Bottom w0.2: U56.17 220.85,143.97
  Bottom w0.5: 220.85,143.97 218.35,146.47 218.35,152.15 220.06,153.87 U54.6
Net-(U55A--): length 17.8
  Bottom w0.3: U57.3 251.7,144.62
  Bottom w0.5: 248.47,155.13 251.46,155.13 253.37,153.22 253.37,146.3 251.7,144.62
Net-(U55B--): length 17.4
  Bottom w0.2: U57.17 240.85,143.97
  Bottom w0.5: U55.6 240.06,153.87 238.35,152.15 238.35,146.47 240.85,143.97
Net-(U56-VREFNF): length 21.6
  Bottom w0.3: U56.16 219.57,143.32
  Bottom w0.5: U54.7 219.38,155.13 217,152.75 217,145.9 219.57,143.32
Net-(U56-VREFPF): length 22.8
  Bottom w0.2: 228.47,156.41 227.68,156.41
  Bottom w0.3: U56.4 233.02,143.97
  Bottom w0.5: 233.05,144 234.75,145.7 234.75,153.72 232.07,156.41 228.47,156.41
Net-(U57-VREFNF): length 21.6
  Bottom w0.3: U57.16 239.57,143.32
  Bottom w0.5: 239.57,143.32 237,145.9 237,152.75 239.38,155.13 U55.7
Net-(U57-VREFPF): length 22.8
  Bottom w0.2: 248.47,156.41 247.68,156.41
  Bottom w0.3: U57.4 253.02,143.97
  Bottom w0.5: 253.05,144 254.75,145.7 254.75,153.72 252.07,156.41 248.47,156.41

## Copper pours and planes (outline as drawn; the poured copper is in the pictures)
+5VD on In5.Cu: 91,0 91,51 15,127.1 15,143 273,143 273,98 153,98 153,0
AGND on Top, Bottom, In1.Cu, In2.Cu, In11.Cu, In12.Cu: 0,0 0,186 273,186 273,143 15,143 15,127.1 91,51 91,0
DGND on In8.Cu: 91,0 91,51 15,127.1 15,143 273,143 273,98 153,98 153,0
VCCN on In6.Cu: 153,0 153,98 273,98 273,0
VDD on In4.Cu: 0,0 0,186 273,186 273,143 15,143 15,127.1 91,51 91,0
VSS on In9.Cu: 0,186 273,186 273,143 15,143 15,127.1 91,51 91,0 0,0
NGND on In7.Cu: 153,0 153,98 273,98 273,0
VREF+ on In3.Cu: 91,51 91,0 0,0 0,186 273,186 273,143 15,143 15,127.1
VREF- on In10.Cu: 0,186 273,186 273,143 15,143 15,127.1 91,51 91,0 0,0

## Text on the board
B.Silkscreen: *
F.Fab: *
F.Silkscreen: (2)NGND | MOSI19 | MISO20 | MOSI20 | VREF+ | VREF- | AGND | VDD | VSS | Sigillito/Shize DAC V4.0 / 12/01/2025 | +5VD | DGND | (33)NGND | LDAC18 | LDAC5 | MISO4 | SCLK4 | SCLK6 | MOSI5 | SCLK5 | LDAC6 | MOSI6 | MISO6 | MISO5 | MOSI4 | (2)MISO19 / | / | | CS6 | CS4 | CS5 | CLR | MOSI18 / | / | / | / | / | / _| | SCLK18 / | / | / | / | / | / | / | / | / __| | (34)NGND | CS17 | NGND | CS16 | X | SCLK17 | MISO17 | SCLK16 | MOSI17 | LDAC16 | MOSI16 | LDAC17 | CS18 | MISO18 | AU_AUX1 | AU_AUX2 | AU_AUX3 | AU_AUX4 | AU_AUX6 | AU_AUX5 | LDAC24 | MISO12 | MISO11 | (33)X | CS11 | VCCN | LGCLEV | (34)X | MISO22 | CS22 | X-------! | NGND-------! | SCLK2 | CS2 | MISO2 | MOSI3 | (2)LDAC1 | SCLK3 | LDAC3 | SCLK1 | MOSI1 | MOSI2 | LDAC4 | MISO3 | CS3 | MISO1 | CS1 | LDAC2 | CS13 | CS14 | CS15 | MISO13 | MISO14 | MOSI13 | SCLK14 | LDAC13 | LDAC14 | MOSI14 | MOSI15 | MISO15 | MISO16 | LDAC15 | SCLK15 | SCLK13 | Bank B | (78)(76)(77)(75) | (6)(4)(5)(3) | (G)(G)(G)(G) | Bank A | SCLK10 | LDAC10 | MOSI10 | (2)CS10 | (12)X | (2)SCLK11 | MISO10 | MOSI11 | LDAC11 | SCLK24 | CS12 | (2)MOSI24 | MOSI12 | SCLK12 | MISO24 | CS24 | LDAC12 | _ / | / | / | / | / LDAC21 | | / (34)MISO9 | CS23 | (11)X | MOSI23 | LDAC23 | SCLK23 | LDAC22 | MOSI22 | SCLK22 | MISO23 | CH1 | CH13 | CH2 | CH14 | CH3 | CH15 | CH4 | CH16 | CH5 | CH17 | CH6 | CH18 | CH7 | CH19 | CH8 | CH20 | CH9 | CH21 | CH10 | CH22 | CH11 | CH23 | CH12 | CH24 | (23)NGND | LDAC7 | RST | MOSI7 | SCLK7 | CS19 | | / | / | / NGND | SCLK19 | CS7 | MISO7 | LDAC19 | LDAC8 | MOSI8 | CS20 | (24)X | SCLK8 | SCLK20 | CS8 | MISO8 | LDAC20 | LDAC9 | Ctrl | MOSI9 | MISO21 | CS21 | SCLK9 | CS9 | SCLK21 | MOSI21
